# Altium PCB PCB.PcbDoc
Units mil, origin at the board's own origin, x right, y up, seen from the top; angles counter-clockwise.
Board outline 2277.46 x 2712.09 mil, 2 copper layers (Top Layer, Bottom Layer), stack 62.19 mil thick; 24 components, 32 nets, 135 pads, 1 vias.
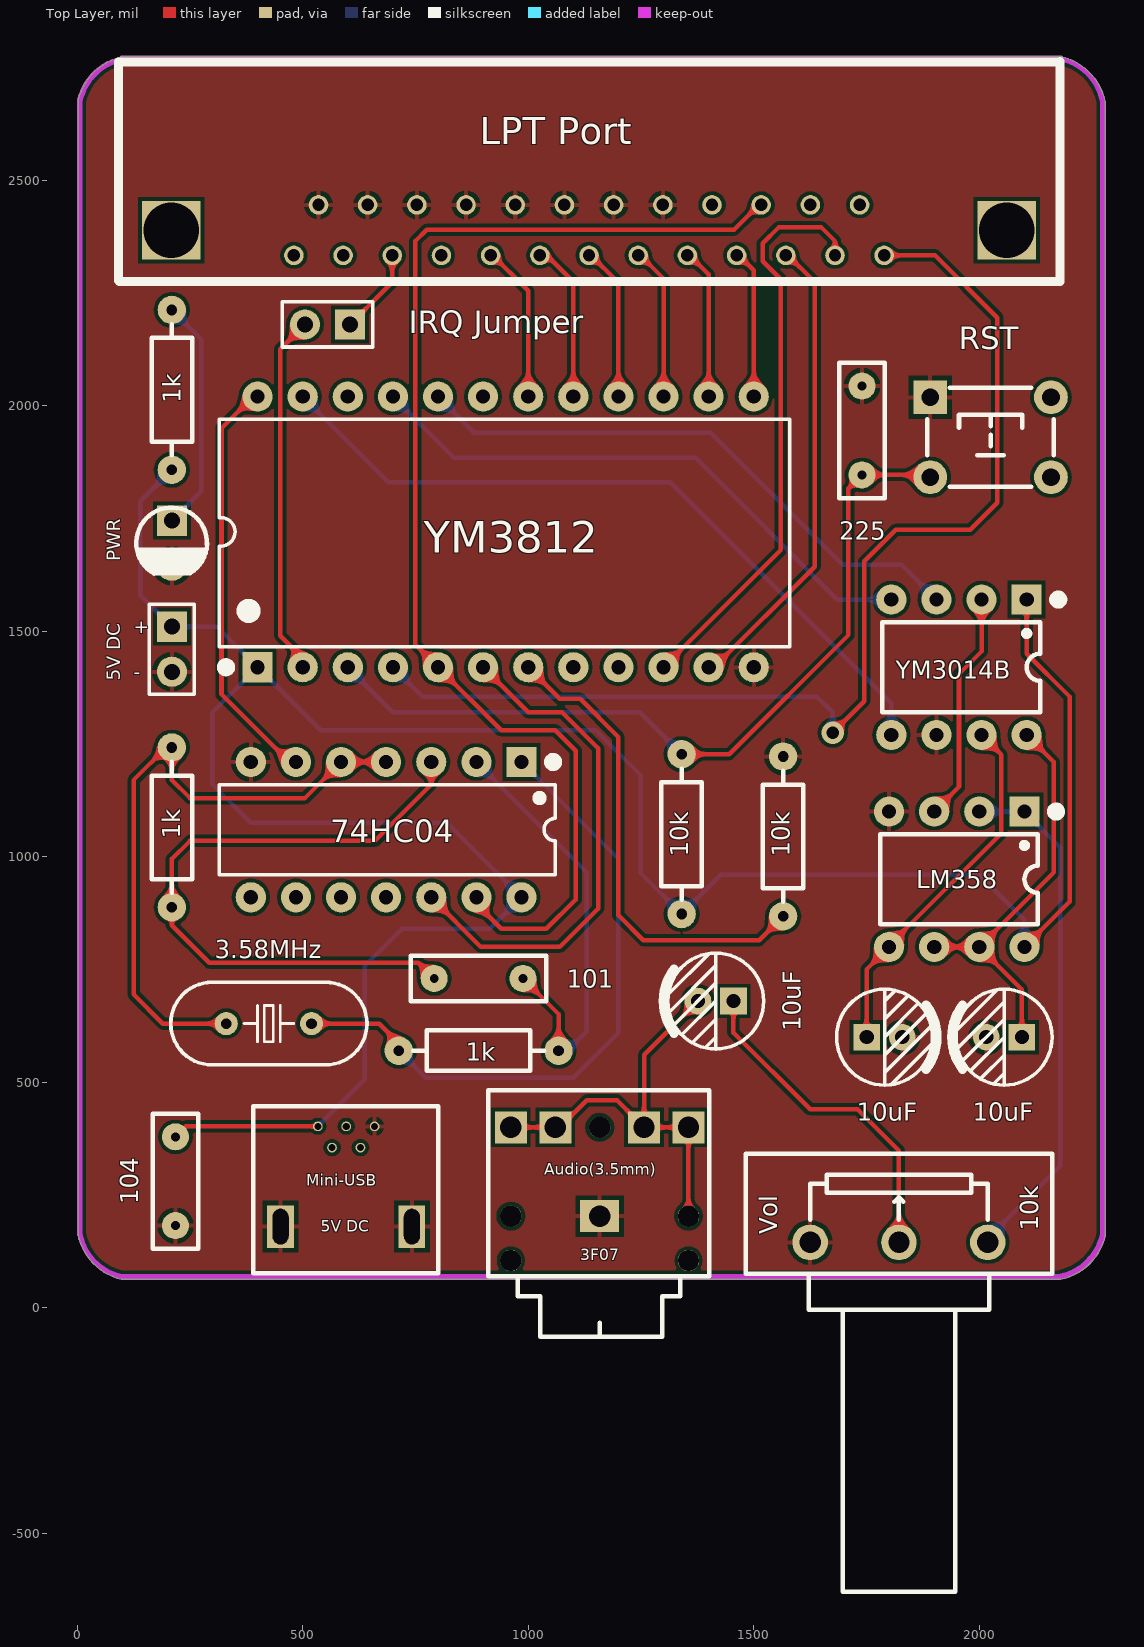
[diagram p0: Top Layer view]
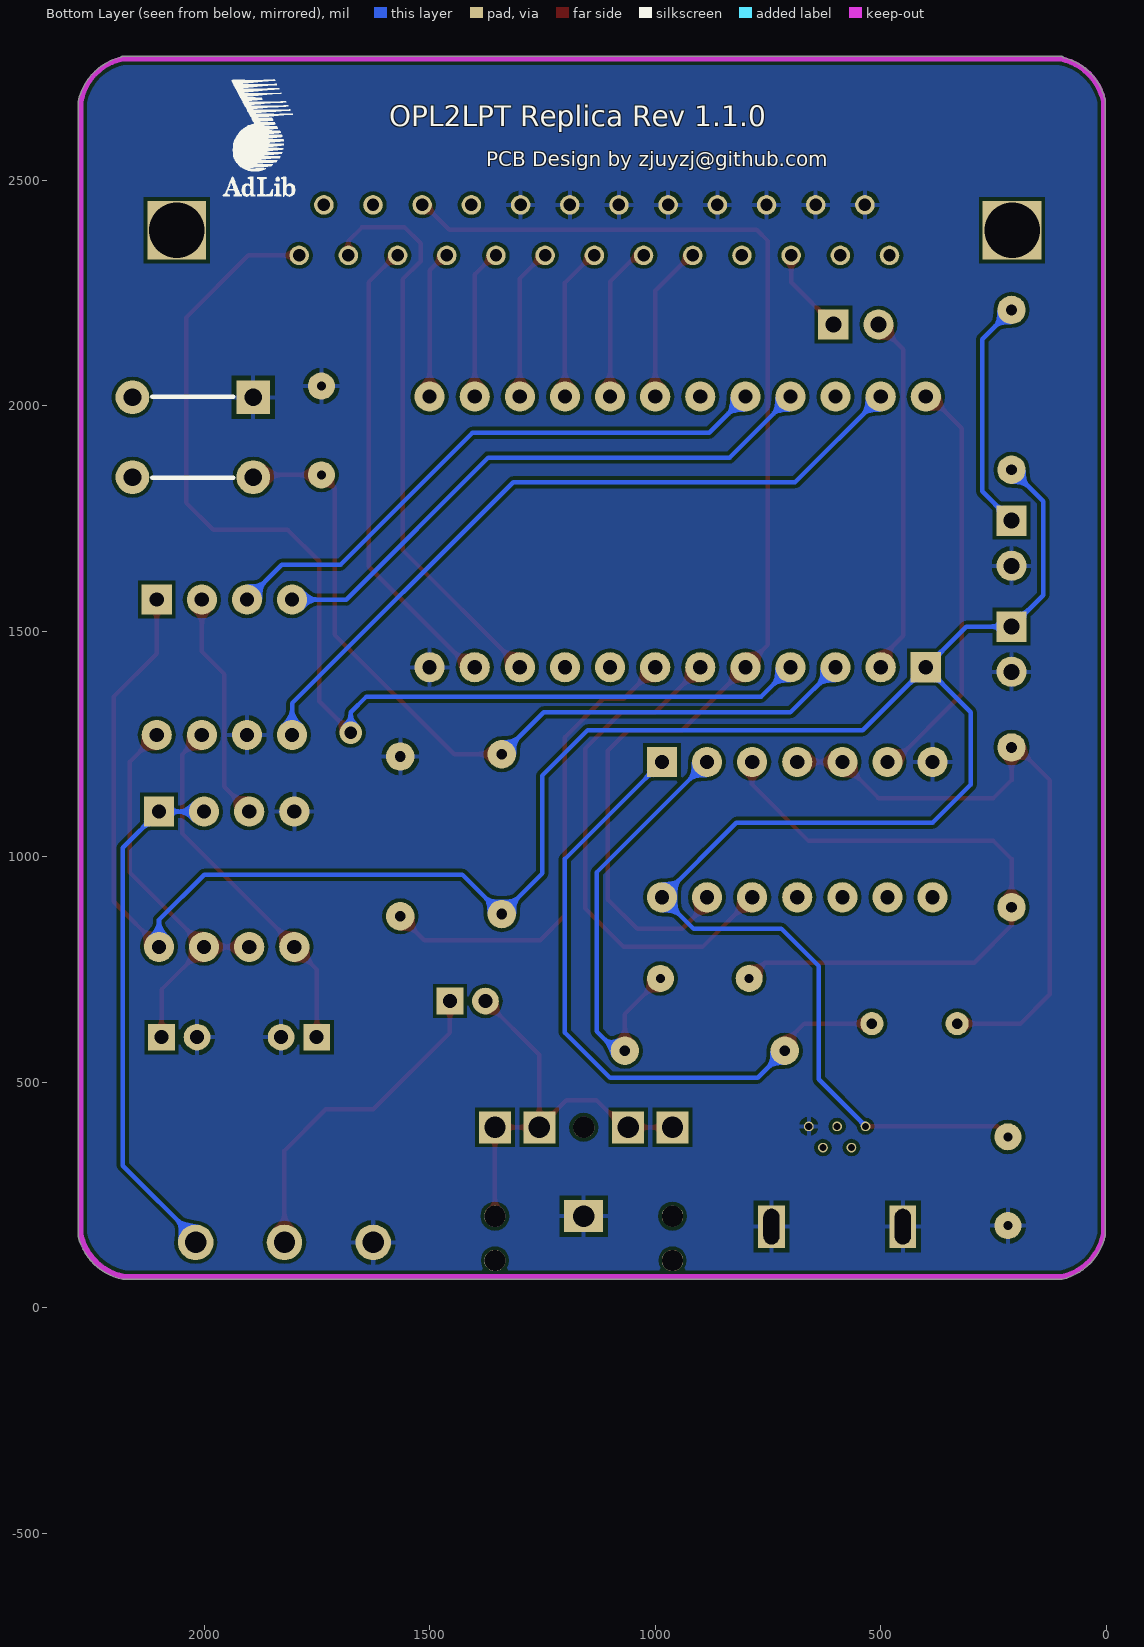
[diagram p1: Bottom Layer view, seen from below]

## Layer stack, top to bottom
Top Solder: solder mask 0.4, Solder Resist, Dk 3.5
Top Layer: signal copper 1.4
Dielectric 1: dielectric 59.39, FR-4, Dk 4.8
Bottom Layer: signal copper 1.4
Bottom Solder: solder mask 0.4, Solder Resist, Dk 3.5

## Board outline
2.09,162 ccw(c127.49,187.64) 98.1,63.06 ccw(c99.25,67.94) 100.03,62.99 2179.36,62.99 ccw(c2179.36,68) 2180.37,63.09 ccw(c2154.73,188.49) 2279.31,159.1 ccw(c2274.43,160.25) 2279.44,160.25 ccw(c2274.43,160.25) 2279.25,161.63 ccw(c2274.43,163) 2279.44,163 ccw(c2274.43,163) 2279.44,163 2279.28,2673 cw(c2274.27,2673) 2279.28,2673 ccw(c2274.27,2673) 2279.18,2674 ccw(c2153.78,2648.36) 2184.18,2772.7 ccw(c2179.95,2770) 2179.95,2775.02 100.06,2775.02 ccw(c100.06,2770) 95.31,2771.6 ccw(c126.7,2647.51) 2.12,2676.9 ccw(c7,2675.75) 1.98,2675.75 1.98,163 ccw(c7,163)

## Design rules (kind name [scope] priority, off if disabled: settings)
Clearance [All] p1: gap=8
HoleSize [All] p1: absolutevalues=TRUE maxlimit=248.03 minlimit=15.75 maxpercent=80.000 minpercent=20.000
MinimumSolderMaskSliver [All] p1: minsoldermaskwidth=0
PolygonConnect [All] p1: connectstyle=Relief reliefconductorwidth=10 reliefentries=4 polygonreliefangle="90 Angle" airgapwidth=10
RoutingVias [All] p1: holewidth=28 width=50 viastyle="Through Hole" minholewidth=28 minwidth=50 maxholewidth=28 maxwidth=50
ShortCircuit [All] p1: allowed=TRUE
SilkToSilkClearance [All] p1: silktosilkclearance=0
SilkToSolderMaskClearance [IsPad] p1: minsilkscreentomaskgap=0 clearancetoexposedcopper=TRUE
SolderMaskExpansion [All] p1: expansion=4
Width [All] p1: maxlimit=10 minlimit=8 preferedwidth=10
25 further rules are at their usual default settings.

## Classes and differential pairs
component class Schematic: 1k 3.58MHz 3F07 "5V DC" 10k 10uF 74HC04 101 104 225 "IRQ Jumper" LM358 "LPT Port" P4 PWR RST YM3014B YM3812

## Components (designator, comment, footprint, x,y, rotation, side; value= is the part's Value field where it differs from the comment)
1k "1K" "RS 1/4W" 210,2035 r270 top (schematic designator R2)
1k "470" "RS 1/4W" 890,570 r180 top (schematic designator R1)
1k "470" "RS 1/4W" 210,1065 r90 top (schematic designator R3)
3.58MHz "3.58MHz" "OSC HC-49S" 425,630 r180 top (schematic designator Y1)
3F07 "3.5mm Headphone Jack" 3F07_BK 1158.43,203.15 r180 top (schematic designator P4)
"5V DC" "Power AUX" HDR2.54-LI-2P 210,1460 r270 top (schematic designator P3)
"5V DC" "Mini USB" "Mini USB" 596.5,402.24 r0 top (schematic designator P1)
10k "10k" WH148-1-G15 1821.85,145 r0 top (schematic designator R4)
10k "10K" "RS 1/4W" 1340,1050 r90 top (schematic designator R5)
10k "10K" "RS 1/4W" 1565,1045 r270 top (schematic designator R6)
10uF "10uF" "CAP 2.0*5*11 - BK" 1415.63,680 r180 top (schematic designator C3)
10uF "10uF" "CAP 2.0*5*11 - BK" 2055,600 r180 top (schematic designator C5)
10uF "10uF" "CAP 2.0*5*11 - BK" 1790,600 r0 top (schematic designator C6)
74HC04 "74HC04" DIP14-300_MH 685,1060 r270 top (schematic designator IC1)
101 "4.7nF" MLCC 890,730 r0 top (schematic designator C1)
104 "100nF" MLCC 218,280.57 r90 top (schematic designator C2)
225 "2.2uF" MLCC 1740,1945 r270 top (schematic designator C4)
"IRQ Jumper" "Jumper" HDR2.54-LI-2P 555,2180 r180 top (schematic designator W1)
LM358 "LM358" DIP8-300_MH 1950,950 r270 top (schematic designator IC4)
"LPT Port" "LPT" DB25(DR252M) 1134.8,2389.09 r180 top (schematic designator P2)
PWR "LED" "LED 3MM-G" 210,1695 r270 top (schematic designator D1)
RST "SW-RST" "TSW DIP-6*6*11" 2025,1930 r0 top (schematic designator S1)
YM3014B "YM3014B" DIP8-300_MH 1955,1420 r270 top (schematic designator IC2)
YM3812 "YM3812" DIP24-600_MH 950,1720 r90 top (schematic designator IC3)

## Footprints (in the part's own frame and the unit in brackets; to place one, negate y for a bottom-side part, rotate by r counter-clockwise, add the part's x,y. Pads: shape width x height; smd on the part's side, far side on the other; paste and mask are expansions set on the pad)
3F07_BK [mm] "黑色，14.2*12*5mm"
  rect 2.2x1.8 hole 1.2: 1(0,0)
  rect 1.8x1.8 hole 1.2: 2(5,-5) 3(2.5,-5) 4(-2.5,-5) 5(-5,-5)
  round 1.2 hole 1.2: 5(-5,0)
  round 1.2 hole 1.2 unplated: 6(-5,2.5) 6(0,-5) 6(5,0) 6(5,2.5)
  silkscreen extent -6.18,-7.09 6.26,6.8, body extent -6,-7.7 6,6.5, height 5.6
"CAP 2.0*5*11 - BK" [mm] "脚距2mm直径5mm高度11mm"
  rect 1.5x1.5 hole 0.8: 1(-1,0)
  round 1.5 hole 0.8: 2(1,0)
  silkscreen extent -2.7,-2.7 2.96,2.7, body extent -2.5,-2.5 2.51,2.5, height 11.04
DB25(DR252M) [mm]
  rect 3.3x3.3 hole 3.13: 0(-23.52,0) 0(23.52,0)
  round 1.1 hole 0.7: 1(-16.62,1.42) 2(-13.85,1.42) 3(-11.08,1.42) 4(-8.31,1.42) 5(-5.54,1.42) 6(-2.77,1.42) 7(0,1.42) 8(2.77,1.42) 9(5.54,1.42) 10(8.31,1.42) 11(11.08,1.42) 12(13.85,1.42) 13(16.62,1.42) 14(-15.235,-1.42) 15(-12.465,-1.42) 16(-9.695,-1.42) 17(-6.925,-1.42) 18(-4.155,-1.42) 19(-1.385,-1.42) 20(1.385,-1.42) 21(4.155,-1.42) 22(6.925,-1.42) 23(9.695,-1.42) 24(12.465,-1.42) 25(15.235,-1.42)
  silkscreen extent -26.52,-9.5 26.49,2.9
DIP8-300_MH [mm] "带底座 9.4*7.6*3.8(长宽高）"
  rect 1.7x1.7 hole 0.8: 1(-3.81,3.81)
  round 1.7 hole 0.8: 2(-3.81,1.27) 3(-3.81,-1.27) 4(-3.81,-3.81) 5(3.81,-3.81) 6(3.81,-1.27) 7(3.81,1.27) 8(3.81,3.81)
  silkscreen extent -4.06,-4.32 2.54,5.84, body extent -5,-5.19 5,5.19, height 7.7
DIP14-300_MH [mm] "带底座  19*7.6*3.8(长宽高）"
  rect 1.7x1.7 hole 0.8: 1(-3.81,7.62)
  round 1.7 hole 0.8: 2(-3.81,5.08) 3(-3.81,2.54) 4(-3.81,0) 5(-3.81,-2.54) 6(-3.81,-5.08) 7(-3.81,-7.62) 8(3.81,-7.62) 9(3.81,-5.08) 10(3.81,-2.54) 11(3.81,0) 12(3.81,2.54) 13(3.81,5.08) 14(3.81,7.62)
  silkscreen extent -4.06,-9.4 2.54,9.65, body extent -5,-9.5 5,9.5, height 7.15
DIP24-600_MH [mm] "带底座 32.5*15.24*3.8(长宽高）"
  rect 1.7x1.7 hole 0.8: 1(-7.62,13.97)
  round 1.7 hole 0.8: 2(-7.62,11.43) 3(-7.62,8.89) 4(-7.62,6.35) 5(-7.62,3.81) 6(-7.62,1.27) 7(-7.62,-1.27) 8(-7.62,-3.81) 9(-7.62,-6.35) 10(-7.62,-8.89) 11(-7.62,-11.43) 12(-7.62,-13.97) 13(7.62,-13.97) 14(7.62,-11.43) 15(7.62,-8.89) 16(7.62,-6.35) 17(7.62,-3.81) 18(7.62,-1.27) 19(7.62,1.27) 20(7.62,3.81) 21(7.62,6.35) 22(7.62,8.89) 23(7.62,11.43) 24(7.62,13.97)
  silkscreen extent -7.87,-16 6.35,16.14, body extent -8.84,-16.25 8.84,16.25, height 7.8
HDR2.54-LI-2P [mm] "排针，2脚"
  rect 1.7x1.7 hole 0.9: 1(-1.27,0)
  round 1.7 hole 0.9: 2(1.27,0)
  silkscreen extent -2.54,-1.27 2.54,1.27, body extent -2.54,-1.27 2.54,1.27, height 8.5
"LED 3MM-G" [mm] "绿色3mm直插LED"
  rect 1.7x1.7 hole 0.9: 1(-1.27,0)
  round 1.7 hole 0.9: 2(1.27,0)
  silkscreen extent -2.01,-2 1.72,1.98, body extent -1.95,-1.95 1.64,1.95, height 5.55
"Mini USB" [mm]
  round 0.55 hole 0.4: 1(-1.6,0) 2(-0.8,-1.2) 3(0,0) 4(0.8,-1.2) 5(1.6,0)
  rect 1.5x2.4 hole 0.9 slot 2 at 90 deg: 5(-3.7,-5.65) 5(3.7,-5.65)
  silkscreen extent -5.23,-8.28 5.18,1.14
MLCC [mil]
  round 60 hole 19.68: 0(-98.43,0) 1(98.43,0)
  silkscreen extent -150,-50 150,50
"OSC HC-49S" [mm]
  round 1.3 hole 0.6: 1(-2.4,0) 2(2.4,0)
  silkscreen extent -5.52,-2.32 5.52,2.33, body extent -5.52,-2.32 5.53,2.33, height 4.13
"RS 1/4W" [mm] "直插色环电阻，脚距9mm，直径2.3mm"
  round 1.6 hole 0.6: 1(-4.5,0) 2(4.5,0)
  silkscreen extent -3.68,-1.14 3.68,1.14, body extent -4.72,-1.16 4.73,1.16, height 2.32
"TSW DIP-6*6*11" [mm] "6*6*11mm"
  rect 1.9x1.9 hole 1: 1(-3.4,2.25)
  round 1.9 hole 1: 2(-3.4,-2.25) 3(3.4,-2.25) 4(3.4,2.25)
  silkscreen extent -3.56,-2.79 3.56,2.79, body extent -4.11,-3 4.11,3, height 10.95
WH148-1-G15 [mm] "单联电位器，脚距：5mm，柄长：15mm"
  round 2 hole 1.2: 1(-5,0) 2(0,0) 3(5,0)
  silkscreen extent -8.64,-19.68 8.64,5, body extent -8.45,-19.5 8.45,4.8, height 20.95

## Part data
1k 1k 1k 10k 10k: library part Res2, "Resistor"
3.58MHz: library part XTAL, "Crystal Oscillator"
"5V DC": library part "Header 2", "Header, 2-Pin"
10k: library part RPot, "Potentiometer"
10uF 10uF 10uF: library part "Cap Pol3", "Polarized Capacitor (Surface Mount)"
74HC04: library part 7404
101 104 225: library part "Cap Semi", "Capacitor (Semiconductor SIM Model)"
"IRQ Jumper": "Jumper Wire"
PWR: library part LED2, "Typical RED, GREEN, YELLOW, AMBER GaAs LED"
RST: library part SW-PB, "Switch"

## Via types
v1: diameter 50, hole 28, Top Layer to Bottom Layer, tented both sides, 1 vias

## Nets (pads, with @x,y where several pads share a name; then routed paths per layer and width w, separated by ;. In a path a pad name is that pad's centre, name@x,y a point inside that pad or via, vN(x,y) a via of type N, cw(c..) or ccw(c..) an arc to the next point about the centre after c; other vN are vias at no path point)
A0: "LPT Port.1" YM3812.4 | length 2537.4
  Top Layer w10: v1(1675,1275) 1745,1345 1745,1655 1815,1725 1980,1725 2040,1785 2040,2195 1901.81,2333.19 1789.13,2333.19
  Bottom Layer w10: YM3812.4 765,1355 1640,1355 1675,1320 v1(1675,1275)
AOUT: 10k.3 LM358.1 LM358.2 | length 1154.9
  Bottom Layer w10: LM358.2 LM358.1 2180,1020 2180,315 2018.7,153.7 10k.3
CLK: YM3014B.5 YM3812.23 | length 1656.7
  Bottom Layer w10: YM3812.23 690,1830 1315,1830 1805,1340 YM3014B.5
D0: "LPT Port.2" YM3812.10 | length 1283
  Top Layer w10: YM3812.10 1560,1680 1560,2280 1520,2320 1520,2360 1555,2395 1650,2395 1680.08,2364.92 1680.08,2333.19
D1: "LPT Port.3" YM3812.11 | length 1049.1
  Top Layer w10: YM3812.11 1411.93,1420 1635,1643.07 1635,2273.94 1570.75,2338.19
D2: "LPT Port.4" YM3812.13 | length 334.1
  Top Layer w10: 1461.69,2338.19 1500,2299.88 YM3812.13
D3: "LPT Port.5" YM3812.14 | length 337.8
  Top Layer w10: 1352.64,2338.19 1400,2290.83 YM3812.14
D4: "LPT Port.6" YM3812.15 | length 341.6
  Top Layer w10: 1243.58,2338.19 1300,2281.77 YM3812.15
D5: "LPT Port.7" YM3812.16 | length 345.3
  Top Layer w10: 1134.53,2338.19 1200,2272.72 YM3812.16
D6: "LPT Port.8" YM3812.17 | length 355.7
  Top Layer w10: 1025.47,2338.19 1036.81,2338.19 1100,2275 YM3812.17
D7: "LPT Port.9" YM3812.18 | length 352.8
  Top Layer w10: 916.42,2338.19 1000,2254.61 YM3812.18
GND: 3F07.1 10k.1@1565,1222.17 10k.1@1625,145 10uF.2@1829.37,600 10uF.2@2015.63,600 74HC04.7 104.0 225.0 "5V DC.2"@210,1410 "5V DC.5" "LPT Port.18" "LPT Port.19" "LPT Port.20" "LPT Port.21" "LPT Port.22" "LPT Port.23" "LPT Port.24" "LPT Port.25" LM358.4 PWR.2 RST.1 YM3014B.6 YM3812.12
I\R\Q\: "IRQ Jumper.1" "LPT Port.11" | length 196.8
  Top Layer w10: 605,2180 698.31,2273.31 698.31,2338.19
LOAD: YM3014B.3 YM3812.20 | length 1291.4
  Bottom Layer w10: YM3812.20 880,1940 1405,1940 1697.5,1647.5 1827.5,1647.5 YM3014B.3
MCLK: 74HC04.6 YM3812.24 | length 961.5
  Top Layer w10: YM3812.24 390,2020 320,1950 320,1360 470,1210 74HC04.6
  Bottom Layer w10: YM3812.24@375,2025 390,2010 YM3812.24
NetC1_1: 1k.1@210,887.83 74HC04.3 101.0 | length 1470.9
  Top Layer w10: 74HC04.3 785,1160 660,1035 250,1035 210,995 210,887.83 210,847.83 292.83,765 756.57,765 101.0
NetC1_2: 1k.1@1067.17,570 74HC04.2 101.1 | length 971.8
  Top Layer w10: 101.1 1067.17,651.26 1k.1@1067.17,570
  Bottom Layer w10: 74HC04.2 1130,965 1130,612.83 1087.17,570 1k.1@1067.17,570
NetC3_1: 10k.2@1821.85,145 10uF.1@1455,680 | length 748.5
  Top Layer w10: 10uF.1@1455,680 1455,610 1625,440 1730,440 1821.85,348.15 10k.2@1821.85,145
NetC3_2: 3F07.2 3F07.3 3F07.4 3F07.5 10uF.2@1376.26,680 | length 969.7
  Top Layer w10: 3F07.2 3F07.3 1070,400 1130,460 1196.85,460 3F07.4 ; 3F07.5@1355.28,203.15 1355.28,400 3F07.4 ; 10uF.2@1376.26,680 1256.85,560.59 3F07.4
NetC4_2: 10k.2@1340,1227.17 225.1 RST.2 YM3812.3 | length 1820.1
  Top Layer w10: 10k.2@1340,1227.17 1445.6,1227.17 1710,1491.57 1710,1816.57 225.1 1885.98,1846.57 RST.2
  Bottom Layer w10: YM3812.3 700,1320 1247.17,1320 10k.2@1340,1227.17
NetC5_1: 10uF.1@2094.37,600 LM358.6 LM358.7 YM3014B.8 | length 902.3
  Top Layer w10: LM358.6 LM358.7 ; 10uF.1@2094.37,600 2094.37,705.63 LM358.7 ; YM3014B.8 2165,1210 2165,965 LM358.7
NetC6_1: 10uF.1@1750.63,600 LM358.5 YM3014B.7 | length 811.9
  Top Layer w10: 10uF.1@1750.63,600 1750,600.63 1750,750 LM358.5 1800,803.07 2048.46,1051.54 2048.46,1226.54 YM3014B.7
NetD1_1: 1k.1@210,2212.17 PWR.1 | length 521
  Bottom Layer w10: PWR.1 275,1810 275,2147.17 1k.1@210,2212.17
NetIC1_1: 1k.2@712.83,570 3.58MHz.1 74HC04.1 | length 1470.7
  Top Layer w10: 3.58MHz.1 670,630 712.83,587.17 1k.2@712.83,570
  Bottom Layer w10: 1k.2@712.83,570 772.83,510 1100,510 1200,610 1200,995 74HC04.1
NetIC1_4: 1k.2@210,1242.17 3.58MHz.2 74HC04.4 74HC04.5 | length 1419.2
  Top Layer w10: 3.58MHz.2 190,630 125,695 125,1170 197.17,1242.17 210,1242.17 210,1170 250,1130 505,1130 74HC04.5 74HC04.4
NetIC2_2: LM358.3 YM3014B.2 | length 513.5
  Top Layer w10: LM358.3 1955,1155 1955,1405 2005,1455 YM3014B.2
NetIC3_2: "IRQ Jumper.2" YM3812.2 | length 803.5
  Top Layer w10: YM3812.2 500,1440 450,1490 450,2125 505,2180
NetIC3_7: 10k.2@1565,867.83 YM3812.7 | length 1071
  Top Layer w10: YM3812.7@1000,1417.83 YM3812.7 1070,1350 1115,1350 1200,1265 1200,870 1255,815 1512.17,815 10k.2@1565,867.83
R\D\: 74HC04.12 YM3812.6 | length 1145.3
  Top Layer w10: 74HC04.12 895,800 1070,800 1155,885 1155,1240 1075,1320 1000,1320 YM3812.6 YM3812.6@910,1420
SD: YM3014B.4 YM3812.21 | length 1291.4
  Bottom Layer w10: YM3812.21 835,1885 1370,1885 1685,1570 YM3014B.4
VCC: 1k.2@210,1857.83 10k.1@1340,872.83 74HC04.14 104.1 "5V DC.1" LM358.8 YM3014B.1 YM3812.1 | length 5899.4
  Top Layer w10: 104.1 241.24,402.24 533.5,402.24 ; LM358.8 2200,900 2200,1355 2105,1450 YM3014B.1
  Bottom Layer w10: 1k.2@210,1857.83 140,1787.83 140,1580 210,1510 310,1510 YM3812.1 ; 533.5,402.24 637.68,506.42 637.68,757.68 720,840 915,840 74HC04.14 820,1075 385,1075 300,1160 300,1320 YM3812.1 ; LM358.8 2100,860 2000,960 1427.17,960 1340,872.83 1250,962.83 1250,1180 1150,1280 540,1280 YM3812.1
W\R\: 74HC04.13 "LPT Port.16" YM3812.5 | length 2763.5
  Top Layer w10: 74HC04.13 885,895 940,840 1040,840 1105,905 1105,1235 1060,1280 940,1280 YM3812.5 750,1470 750,2365 775,2390 1456.22,2390 1516.22,2450
pads on no net: 3F07.6 74HC04.8 74HC04.9 74HC04.10 74HC04.11 "5V DC.2"@565,355 "5V DC.3" "5V DC.4" "LPT Port.0" "LPT Port.10" "LPT Port.12" "LPT Port.13" "LPT Port.14" "LPT Port.15" "LPT Port.17" RST.3 RST.4 YM3812.8 YM3812.9 YM3812.19 YM3812.22

## Polygon pours and split planes (outlines as drawn)
GND on Top Layer "Top Layer-GND" (solid, remove dead copper, pour order 20): 2.09,162 ccw(c127.49,187.64) 98.1,63.06 ccw(c99.25,67.94) 100.03,62.99 2179.36,62.99 ccw(c2179.36,68) 2180.37,63.09 ccw(c2154.73,188.49) 2279.31,159.1 ccw(c2274.43,160.25) 2279.44,160.25 ccw(c2274.43,160.25) 2279.25,161.63 ccw(c2274.43,163) 2279.44,163 ccw(c2274.43,163) 2279.44,163 2279.28,2673 cw(c2274.27,2673) 2279.28,2673 ccw(c2274.27,2673) 2279.18,2674 ccw(c2153.78,2648.36) 2184.18,2772.7 ccw(c2179.95,2770) 2179.95,2775.02 100.06,2775.02 ccw(c100.06,2770) 95.31,2771.6 ccw(c126.7,2647.51) 2.12,2676.9 ccw(c7,2675.75) 1.98,2675.75 1.98,163 ccw(c7,163)
GND on Bottom Layer "Bottom Layer-GND" (solid, remove dead copper, pour order 21): 2.09,162 ccw(c127.49,187.64) 98.1,63.06 ccw(c99.25,67.94) 100.03,62.99 2179.36,62.99 ccw(c2179.36,68) 2180.37,63.09 ccw(c2154.73,188.49) 2279.31,159.1 ccw(c2274.43,160.25) 2279.44,160.25 ccw(c2274.43,160.25) 2279.25,161.63 ccw(c2274.43,163) 2279.44,163 ccw(c2274.43,163) 2279.44,163 2279.28,2673 cw(c2274.27,2673) 2279.28,2673 ccw(c2274.27,2673) 2279.18,2674 ccw(c2153.78,2648.36) 2184.18,2772.7 ccw(c2179.95,2770) 2179.95,2775.02 100.06,2775.02 ccw(c100.06,2770) 95.31,2771.6 ccw(c126.7,2647.51) 2.12,2676.9 ccw(c7,2675.75) 1.98,2675.75 1.98,163 ccw(c7,163)

## Keep-outs
Keep-Out Layer:
  lines w10: 97.25,69.94 cw(c125.49,189.64) 5,165 5,2677.75 cw(c124.7,2649.51) 100.06,2770 2179.95,2770 ; 97.25,70 2177.36,70 ccw(c2152.73,190.49) 2272.43,162.25 ; 99.25,67.94 cw(c127.49,187.64) 7,163 7,2675.75 cw(c126.7,2647.51) 102.06,2768 2181.95,2768 ; 99.25,68 2179.36,68 ccw(c2154.73,188.49) 2274.43,160.25 ; 2180.01,2770.06 cw(c2151.78,2650.36) 2272.27,2675 2272.43,165 ; 2182.01,2768.06 cw(c2153.78,2648.36) 2274.27,2673 2274.43,163

## Silkscreen, mask and mechanical layers (free items; w line width, h text height)
Top Overlay:
  text "+" at 125,1495 h30
  text "-" at 125,1395 h30
  text "Audio(3.5mm)" at 1035,295 h25
  text "Vol" at 1552,163 h40 r90
Bottom Overlay:
  drawing of 528 lines, arcs and shapes, not listed
  text "OPL2LPT Replica Rev 1.1.0" at 1589,2619 h45
  text "PCB Design by zjuyzj@github.com" at 1374,2520 h55

## Text inside footprints (layer, text, board x,y; h text height)
"5V DC": Top Overlay "Mini-USB" at 508,271 h25